# KiCad board vme-wren.kicad_pcb (continued)
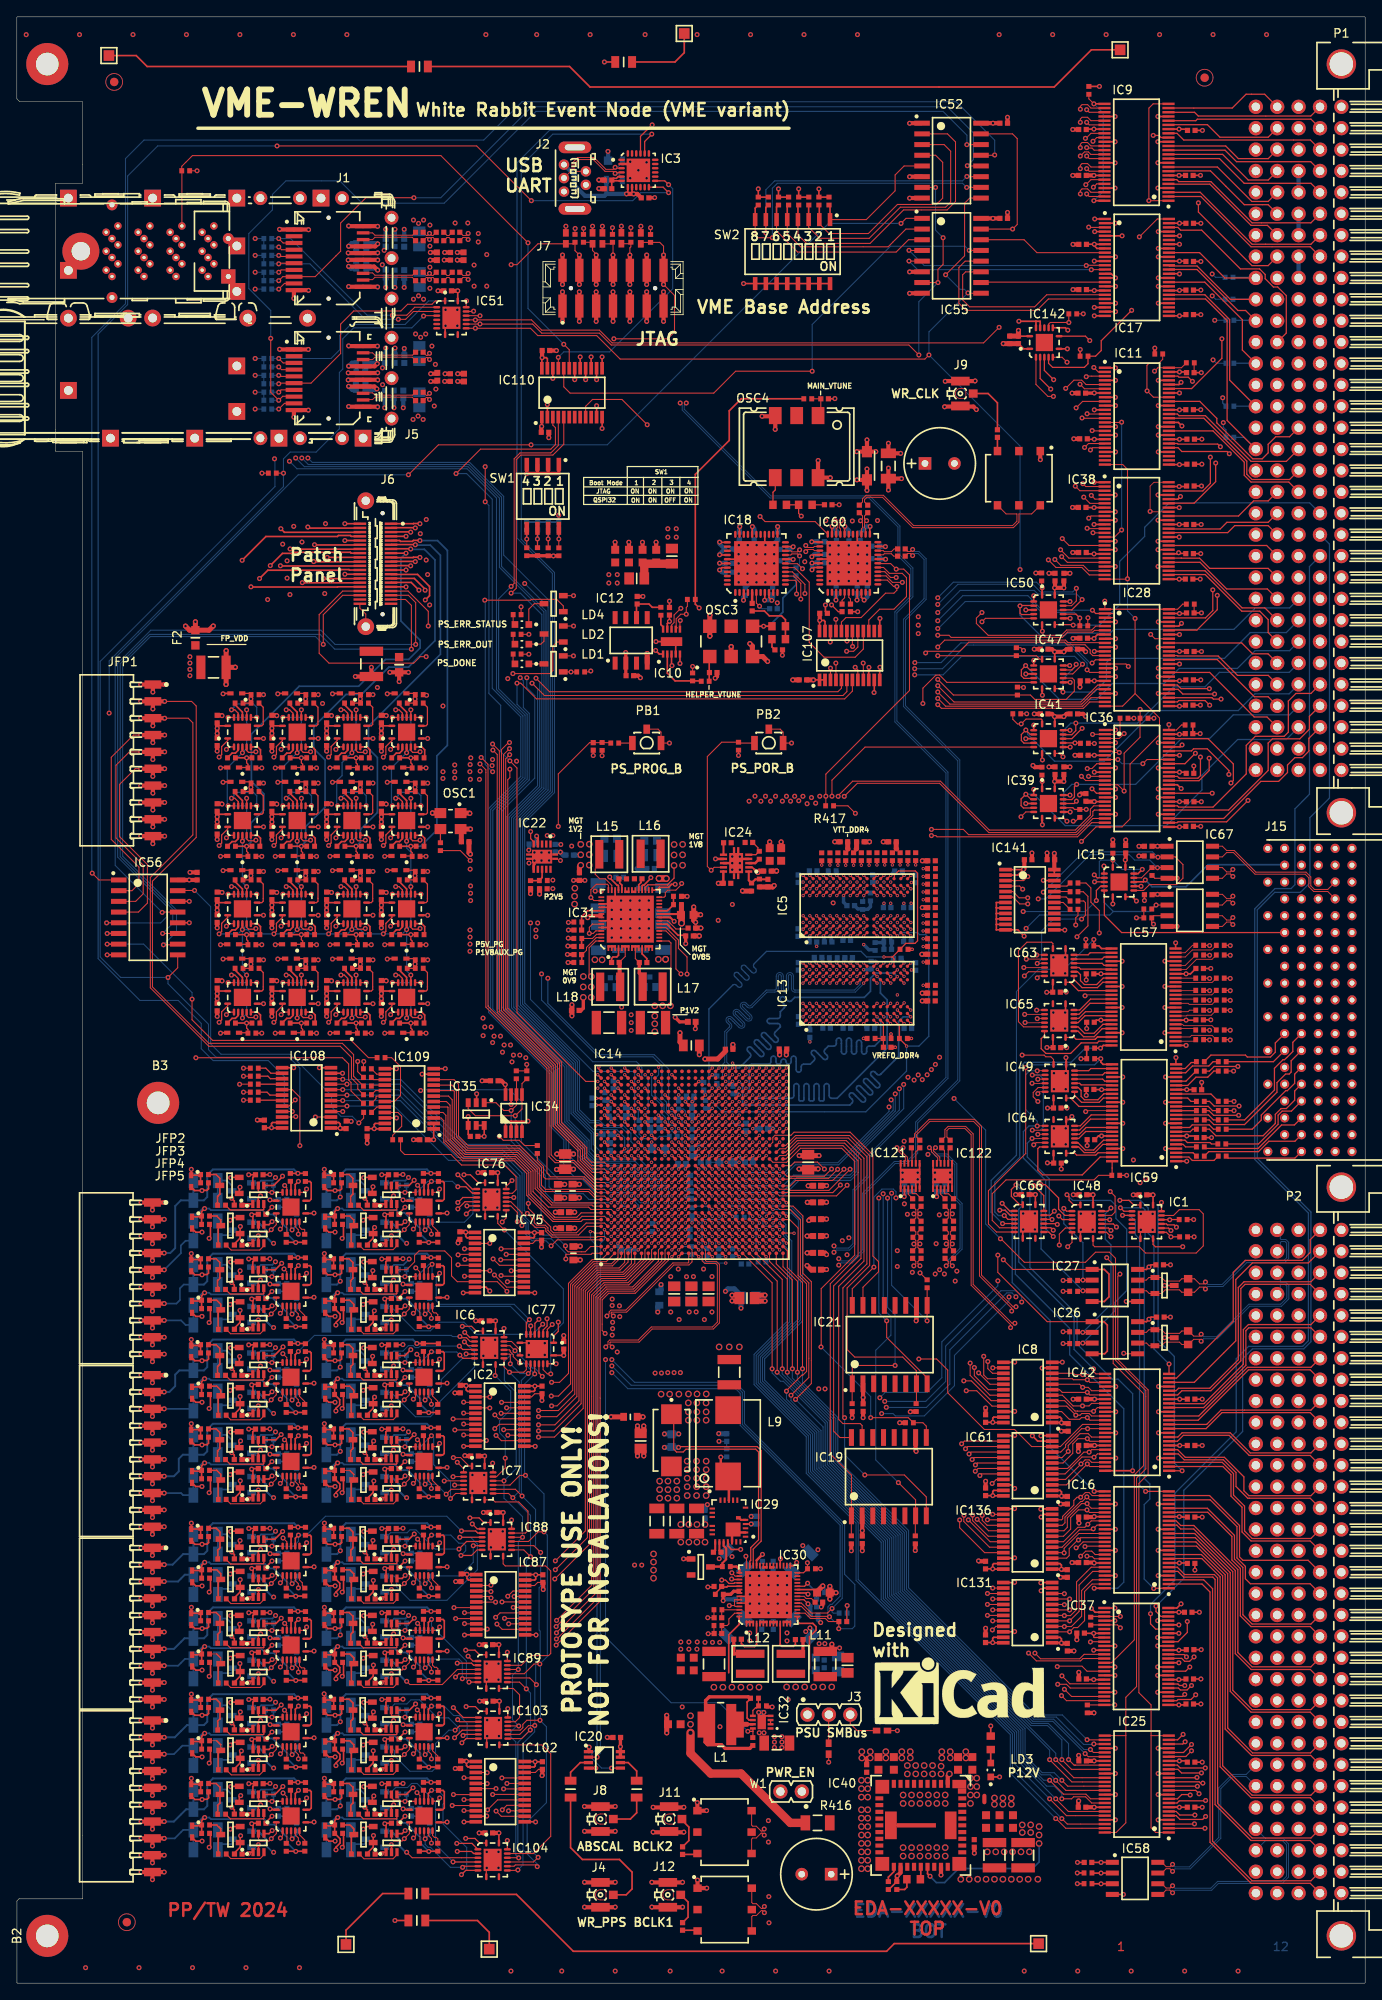
[diagram p0: board, top side]
## Nets (continued)
GND: C1.2 C2.2 C3.1 C4.1 C5.2 C6.1 C7.1 C8.2 C9.1 C10.1 C11.1 C12.1 C13.1 C14.1 C15.1 C16.1 C17.1 C18.1 C19.1 C20.2 C21.2 C22.1 C23.1 C24.1 C25.1 C26.1 C27.1 C28.2 C29.1 C30.1 C31.1 C32.1 C33.1 C34.1 C35.1 C36.1 C37.1 C38.1 C39.1 C40.1 C41.1 C42.1 C43.1 C44.1 C45.1 C46.1 C47.2 C48.1 C49.1 C50.2 C51.2 C52.2 C53.2 C54.1 C55.2 C56.1 C57.1 C58.1 C62.2 C63.2 C65.1 C66.1 C67.1 C68.1 C69.1 C70.1 C71.2 C72.1 C73.1 C74.1 C75.1 C76.1 C77.1 C78.1 C79.1 C80.1 C81.1 C82.1 C83.1 C84.1 C85.1 C86.1 C87.1 C88.1 C90.1 C91.1 C92.1 C93.1 C94.1 C95.1 C96.1 C100.1 C101.1 C102.1 C103.2 C104.1 C105.1 C106.1 C107.1 C108.1 C109.1 C110.1 C111.1 C112.1 C113.1 C114.1 C115.1 C116.1 C117.2 C118.1 C119.1 C121.1 C122.1 C123.1 C124.1 C125.1 C126.1 C127.1 C128.1 C129.1 C130.1 C131.1 C132.1 C133.1 C134.1 C135.1 C136.1 C137.1 C138.1 C139.1 C140.1 C141.2 C142.2 C143.1 C144.1 C145.1 C146.1 C147.1 C148.2 C149.1 C150.1 C151.1 C152.1 C153.1 C154.2 C155.1 C156.1 C157.1 C158.2 C159.2 C160.2 C161.2 C162.1 C163.2 C164.1 C165.1 C166.2 C167.2 C168.2 C169.2 C170.2 C171.2 C172.2 C173.2 C174.1 C175.1 C176.2 C177.2 C178.1 C179.1 C180.1 C181.1 C182.1 C183.1 C184.1 C185.1 C186.2 C187.2 C188.1 C189.2 C190.1 C191.2 C192.2 C193.1 C194.1 C195.1 C196.1 C197.1 C198.1 C199.1 C200.1 C201.1 C202.1 C203.1 C204.1 C205.1 C206.2 C207.2 C208.2 C209.2 C210.1 C211.1 C212.2 C213.1 C214.1 C215.1 C216.1 C217.1 C218.1 C219.1 C220.1 C221.2 C222.1 C223.1 C224.1 C225.1 C226.1 C227.1 C228.2 C229.2 C231.2 C232.1 C234.1 C235.1 C236.1 C237.1 C238.2 C239.2 C240.2 C241.2 C242.1 C243.1 C244.2 C245.2 C249.2 C250.1 C251.1 C252.2 C253.2 C254.1 C255.1 C256.1 C257.1 C258.1 C259.1 C260.1 C261.1 C262.1 C263.1 C264.1 C267.1 C268.1 C269.2 C272.2 C273.2 C274.1 C275.2 C276.2 C277.2 C278.2 C279.2 C280.2 C281.2 C283.2 C284.2 C285.2 C286.2 C287.2 C288.2 C290.2 C291.2 C292.1 C293.1 C294.1 C295.1 C296.1 C297.2 C301.1 C302.1 C303.2 C304.2 C305.1 C306.2 C307.2 C308.1 C309.2 C310.2 C311.2 C312.2 C313.2 C314.2 C315.2 C316.2 C317.2 C318.2 C319.2 C320.1 C321.1 C322.1 C323.1 C324.2 C325.2 C326.2 C327.2 C328.2 C329.2 C330.2 C331.2 C332.2 C333.2 C334.2 C335.2 C336.2 C337.2 C338.2 C339.2 C340.1 C341.1 C342.1 C343.1 C344.1 C345.2 C346.1 C347.1 C348.1 C349.2 C350.1 C351.1 C352.1 C354.2 C355.1 C356.1 C357.1 C358.1 C359.1 C360.1 C361.1 C362.1 C363.2 C364.2 C369.2 C370.1 C371.1 C372.2 C373.2 C376.2 C377.2 C378.2 C379.2 C380.2 C381.1 C382.2 C383.1 C384.2 C385.1 C386.2 C387.1 C388.1 C389.1 C390.1 C391.1 C392.1 C393.2 C394.2 C395.2 C396.2 C397.1 C398.2 C399.2 C400.2 C401.2 C402.2 C403.1 C404.2 C405.2 C406.1 C407.2 C408.2 C409.1 C410.2 C411.2 C412.2 C413.1 C414.2 C415.2 C416.2 C417.2 C418.2 C419.1 C420.2 C421.2 C422.2 C423.2 C424.2 C425.1 C426.2 C427.2 C428.1 C429.2 C430.2 C431.1 C432.2 C433.2 C434.2 C435.1 C436.2 C437.2 C438.2 C439.2 C440.2 C441.1 C442.2 C443.2 C444.2 C445.2 C446.2 C447.1 C448.2 C449.2 C450.2 C451.2 C452.2 C453.1 C454.2 C455.2 C456.1 C457.2 C458.2 C459.1 C460.2 C461.2 C462.2 C463.1 C464.2 C465.2 C466.2 C467.2 C486.2 C487.2 C488.2 C489.2 C490.1 C491.2 C492.2 C493.2 C494.2 C495.2 C496.2 C497.1 C498.2 C499.2 C500.2 C501.2 C502.2 C503.1 C504.2 C505.2 C506.2 C507.2 C508.2 C509.1 C510.2 C511.2 C512.1 C517.2 C518.1 C519.2 C520.1 C521.2 C522.1 C523.2 C524.1 C525.2 C526.2 C527.2 C528.1 C529.2 C530.1 C531.2 C532.1 C533.2 C534.1 C535.2 C536.2 C537.2 C538.1 C539.2 C540.1 C541.2 C542.1 C543.2 C544.1 C545.2 C546.2 C547.2 C548.2 C549.2 Cage1.1 Cage1.2 Cage1.3 Cage1.4 Cage1.5 Cage1.6 Cage1.7 Cage1.8 Cage1.9 Cage1.10 Cage1.11 Cage1.12 Cage1.13 Cage1.14 Cage1.15 Cage1.16 Cage1.17 Cage1.18 Cage1.19 Cage1.20 Cage1.21 Cage1.22 Cage1.23 Cage1.24 Cage1.25 Cage1.26 Cage1.27 Cage1.28 Cage1.29 Cage1.30 Cage3.2 D1.2 D2.2 D3.2 D4.2 D5.2 D6.2 D7.2 D8.2 D9.2 D10.1 D11.1 D12.1 D13.2 D14.2 D15.1 D16.1 D17.2 D18.2 D19.1 D20.1 D21.2 D22.2 D23.1 D24.1 D25.2 D26.2 D27.1 D28.1 D29.3 D30.3 D31.1 D32.1 D33.2 D34.2 D35.1 D36.1 D37.2 D38.2 D39.1 D40.1 D41.2 D42.2 D43.1 D44.1 D45.2 D46.2 D47.1 D48.2 D49.2 D50.1 D51.2 D52.2 D53.1 D54.1 D55.2 D56.2 D57.1 D58.1 D59.2 D60.2 D61.1 D62.1 D63.2 D64.2 D65.1 D66.1 D67.1 D68.1 D69.2 D70.2 D71.1 D72.1 D73.2 D74.2 D75.2 D76.2 D77.2 D78.2 D79.2 D80.2 D81.2 D82.2 D83.2 D84.2 D85.2 D86.2 D87.2 D88.2 D89.2 D90.2 D91.2 D92.2 D93.2 D94.2 D95.2 D96.2 D97.2 D98.2 D99.2 D100.2 D101.2 D102.2 D103.2 D104.2 D105.2 D106.2 IC1.8 IC1.17 IC2.11 IC2.12 IC2.13 IC2.22 IC3.2 IC3.25 IC4.1 IC5.A2 IC5.A8 IC5.B2 IC5.C9 IC5.D2 IC5.D8 IC5.E1 IC5.E3 IC5.E8 IC5.E9 IC5.F1 IC5.G8 IC5.H1 IC5.H9 IC5.K1 IC5.K9 IC5.M9 IC5.N1 IC5.N9 IC5.T1 IC6.8 IC6.17 IC7.8 IC7.17 IC8.11 IC8.12 IC8.13 IC8.22 IC9.1 IC9.2 IC9.4 IC9.5 IC9.10 IC9.14 IC9.15 IC9.17 IC9.21 IC9.22 IC9.23 IC9.24 IC9.28 IC9.32 IC9.34 IC9.39 IC9.41 IC9.45 IC10.3 IC10.4 IC10.11 IC11.1 IC11.4 IC11.8 IC11.10 IC11.15 IC11.17 IC11.21 IC11.28 IC11.32 IC11.34 IC11.39 IC11.45 IC12.4 IC13.A2 IC13.A8 IC13.B2 IC13.C9 IC13.D2 IC13.D8 IC13.E1 IC13.E3 IC13.E8 IC13.E9 IC13.F1 IC13.G8 IC13.H1 IC13.H9 IC13.K1 IC13.K9 IC13.M9 IC13.N1 IC13.N9 IC13.T1 IC14.A20 IC14.A24 IC14.A27 IC14.A28 IC14.AA1 IC14.AA2 IC14.AA3 IC14.AA4 IC14.AA5 IC14.AA6 IC14.AA9 IC14.AA19 IC14.AA24 IC14.AB12 IC14.AB27 IC14.AC15 IC14.AC20 IC14.AC25 IC14.AD3 IC14.AD18 IC14.AE1 IC14.AE6 IC14.AE11 IC14.AE21 IC14.AE26 IC14.AF4 IC14.AF9 IC14.AF14 IC14.AF19 IC14.AG2 IC14.AG22 IC14.AG27 IC14.AH5 IC14.B2 IC14.B17 IC14.B21 IC14.B25 IC14.B26 IC14.C5 IC14.C10 IC14.C20 IC14.C24 IC14.C27 IC14.C28 IC14.D8 IC14.D13 IC14.D21 IC14.D26 IC14.E16 IC14.E20 IC14.E24 IC14.E27 IC14.E28 IC14.F4 IC14.F9 IC14.F19 IC14.F21 IC14.F25 IC14.F26 IC14.G2 IC14.G7 IC14.G12 IC14.G22 IC14.G23 IC14.G24 IC14.G27 IC14.G28 IC14.H10 IC14.H15 IC14.H25 IC14.J8 IC14.J13 IC14.J18 IC14.J23 IC14.K6 IC14.K11 IC14.K16 IC14.K21 IC14.K26 IC14.L9 IC14.L24 IC14.M1 IC14.M2 IC14.M3 IC14.M4 IC14.M5 IC14.M7 IC14.M22 IC14.M27 IC14.N5 IC14.N10 IC14.N12 IC14.N14 IC14.N17 IC14.N20 IC14.N25 IC14.P3 IC14.P5 IC14.P8 IC14.P11 IC14.R1 IC14.R2 IC14.R5 IC14.R15 IC14.R21 IC14.R26 IC14.T3 IC14.T5 IC14.T9 IC14.T10 IC14.T14 IC14.T19 IC14.U1 IC14.U2 IC14.U6 IC14.U11 IC14.U12 IC14.U13 IC14.U17 IC14.U21 IC14.U22 IC14.U27 IC14.V3 IC14.V7 IC14.V13 IC14.V15 IC14.V20 IC14.V21 IC14.W1 IC14.W2 IC14.W6 IC14.W7 IC14.W18 IC14.W21 IC14.W23 IC14.Y3 IC14.Y7 IC14.Y11 IC14.Y16 IC14.Y18 IC14.Y21 IC15.7 IC16.4 IC16.10 IC16.15 IC16.21 IC16.28 IC16.34 IC16.39 IC16.45 IC17.4 IC17.10 IC17.15 IC17.21 IC17.28 IC17.34 IC17.39 IC17.45 IC18.26 IC18.38 IC18.45 IC19.10 IC20.4 IC21.10 IC22.6 IC22.11 IC23.7 IC24.4 IC24.8 IC24.11 IC25.4 IC25.10 IC25.15 IC25.21 IC25.28 IC25.34 IC25.39 IC25.45 IC26.5 IC27.5 IC28.4 IC28.8 IC28.10 IC28.15 IC28.17 IC28.21 IC28.28 IC28.32 IC28.34 IC28.39 IC28.45 IC29.2 IC29.7 IC29.13 IC29.14 IC29.15 IC29.23 IC29.26 IC30.40 IC30.44 IC30.50 IC30.52 IC30.57 IC31.40 IC31.45 IC31.46 IC31.50 IC31.52 IC31.57 IC32.1 IC32.4 IC32.9 IC33.2 IC34.1 IC34.2 IC34.3 IC34.4 IC34.7 IC35.2 IC35.4 IC36.1 IC36.4 IC36.10 IC36.15 IC36.17 IC36.21 IC36.28 IC36.32 IC36.34 IC36.39 IC36.45 IC37.1 IC37.2 IC37.4 IC37.10 IC37.15 IC37.17 IC37.21 IC37.28 IC37.32 IC37.34 IC37.39 IC37.45 IC37.48 IC38.1 IC38.4 IC38.8 IC38.10 IC38.15 IC38.17 IC38.21 IC38.28 IC38.32 IC38.34 IC38.39 IC38.45 IC39.2 IC39.4 IC39.7 IC39.9 IC39.13 IC40.20 IC40.21 IC40.31 IC40.32 IC40.33 IC41.2 IC41.4 IC41.7 IC41.9 IC41.13 IC42.4 IC42.10 IC42.15 IC42.21 IC42.28 IC42.34 IC42.39 IC42.45 IC43.2 IC44.7 IC45.2 IC46.2 IC47.2 IC47.4 IC47.7 IC47.9 IC47.13 IC48.8 IC48.17 IC49.8 IC49.17 IC50.2 IC50.4 IC50.7 IC50.9 IC50.13 IC51.8 IC51.17 IC52.1 IC52.6 IC52.8 IC53.7 IC54.2 IC55.6 IC55.8 IC56.6 IC56.8 IC56.12 IC56.14 IC57.4 IC58.4 IC59.4 IC59.10 IC59.15 IC59.21 IC59.28 IC59.34 IC59.39 IC59.45 IC60.26 IC60.38 IC60.45 IC61.11 IC61.12 IC61.13 IC61.22 IC62.7 IC63.8 IC63.17 IC64.8 IC64.17 IC65.8 IC65.17 IC66.8 IC66.17 IC67.4 IC68.2 IC69.7 IC70.2 IC71.2 IC72.7 IC73.2 IC74.2 IC75.11 IC75.12 IC75.13 IC75.22 IC76.8 IC76.17 IC77.8 IC77.17 IC78.7 IC79.2 IC80.2 IC81.7 IC82.2 IC83.2 IC84.7 IC85.2 IC86.2 IC87.11 IC87.12 IC87.13 IC87.22 IC88.8 IC88.17 IC89.8 IC89.17 IC90.7 IC91.2 IC92.2 IC93.7 IC94.2 IC95.2 IC96.7 IC97.2 IC98.2 IC99.7 IC100.2 IC101.2 IC102.11 IC102.12 IC102.13 IC102.22 IC103.8 IC103.17 IC104.8 IC104.17 IC105.7 IC106.2 IC107.10 IC107.11 IC107.12 IC107.13 IC107.22 IC108.11 IC108.12 IC108.13 IC108.22 IC109.11 IC109.12 IC109.13 IC109.22 IC110.2 IC110.11 IC110.12 IC110.13 IC110.14 IC110.16 IC110.17 IC110.18 IC110.22 IC111.2 IC112.7 IC113.2 IC114.2 IC115.7 IC116.2 IC117.2 IC118.7 IC119.2 IC120.2 IC121.1 IC121.5 IC121.6 IC121.7 IC121.12 IC121.13 IC122.1 IC122.5 IC122.6 IC122.7 IC122.12 IC122.13 IC123.4 IC123.10 IC123.15 IC123.21 IC123.28 IC123.34 IC123.39 IC123.45 IC124.7 IC125.7 IC126.7 IC127.7 IC128.7 IC129.7 IC130.7 IC131.11 IC131.12 IC131.13 IC131.22 IC132.7 IC133.7 IC134.7 IC135.7 IC136.11 IC136.12 IC136.13 IC136.22 IC137.7 IC138.7 IC139.7 IC140.7 IC141.7 IC141.8 IC141.9 IC141.10 IC141.11 IC141.12 IC141.13 IC141.22 IC142.1 IC142.4 IC142.7 IC142.9 IC142.12 IC142.13 J1.1 J1.10 J1.11 J1.14 J1.17 J1.20 J2.5 J2.6 J3.1 J4.2 J5.1 J5.10 J5.11 J5.14 J5.17 J5.20 J6.40 J6.41 J7.1 J7.3 J7.5 J7.7 J7.9 J7.11 J7.13 J8.2 J9.2 J11.2 J12.2 J13.SHIELD J15.B1 J15.B5 J15.E1 J15.E5 J15.F1 J15.F3 J15.F5 J15.F7 J15.F9 J15.F11 J15.F13 J15.F15 J15.F17 J15.F19 JFP1.1 JFP1.9 JFP1.10 JFP2.1 JFP2.6 JFP3.1 JFP3.6 JFP4.1 JFP4.6 JFP5.1 JFP5.6 L2.2 LD3.1 OSC1.2 OSC3.3 OSC4.3 P1.A9 P1.A11 P1.A15 P1.A17 P1.A19 P1.B20 P1.B23 P1.C9 P1.D2 P1.D31 P1.MTG1 P1.MTG2 P1.Z2 P1.Z4 P1.Z6 P1.Z8 P1.Z10 P1.Z12 P1.Z14 P1.Z16 P1.Z18 P1.Z20 P1.Z22 P1.Z24 P1.Z26 P1.Z28 P1.Z30 P1.Z32 P2.B2 P2.B12 P2.B22 P2.B31 P2.D25 P2.D28 P2.D31 P2.MTG1 P2.MTG2 P2.Z2 P2.Z4 P2.Z6 P2.Z8 P2.Z10 P2.Z12 P2.Z14 P2.Z16 P2.Z18 P2.Z20 P2.Z22 P2.Z24 P2.Z26 P2.Z28 P2.Z30 P2.Z32 PB1.1 PB1.3 PB2.1 PB2.3 R1.1 R11.1 R20.1 R21.1 R22.1 R23.1 R34.1 R35.1 R36.1 R40.2 R64.1 R68.1 R90.2 R98.2 R103.2 R114.2 R115.1 R121.1 R122.1 R124.1 R126.1 R127.1 R131.1 R132.1 R146.1 R147.1 R160.1 R161.1 R162.1 R163.1 R166.1 R167.1 R184.1 R185.1 R192.1 R194.2 R195.2 R207.2 R208.1 R209.1 R211.1 R215.2 R216.1 R217.1 R262.1 R265.2 R266.2 R267.1 R279.1 R280.1 R293.1 R294.1 R307.1 R308.1 R309.1 R315.2 R321.1 R322.1 R323.1 R335.1 R336.1 R349.1 R350.1 R363.1 R364.1 R377.1 R378.1 R397.1 R401.1 R408.1 R409.1 R410.1 R417.1 R422.1 R423.1 R424.1 R436.1 R437.1 R446.1 R510.1 R511.1 R516.1 R517.1 R522.1 R523.1 R528.1 R529.1 R534.1 R535.1 R540.1 R541.1 R546.1 R547.1 R552.1 R553.1 R558.1 R559.1 R564.1 R565.1 R570.1 R571.1 R576.1 R577.1 R582.1 R583.1 SW1.1 SW1.2 SW1.3 SW1.4 SW2.9 SW2.10 SW2.11 SW2.12 SW2.13 SW2.14 SW2.15 SW2.16 T2.2 T3.2 T4.2 T5.2 T7.2 T9.2 T11.2 T13.2 T15.2 T19.2 T21.2 T23.2 T25.2 T27.2 T29.2 T31.2 T35.2 T37.2 T39.2 T40.2 T41.2 T42.2 T43.2 T44.2 T45.2 T46.2 T47.2 T48.2 T49.2 T50.2 T51.2 T52.2 T53.2 T54.2 T55.2 TR1.1 TR2.1 TR3.1 W1.2
GNDA: IC40.2 IC40.23 IC40.29 R100.1 R165.1
P0V85: C33.2 C34.2 C35.2 C36.2 C37.2 C38.2 C39.2 C40.2 C41.2 C79.2 C80.2 C81.2 C82.2 C85.2 C86.2 C271.1 C272.1 C273.1 IC14.AA15 IC14.AA16 IC14.AA17 IC14.AA18 IC14.AA20 IC14.AA21 IC14.AB16 IC14.K10 IC14.L10 IC14.L11 IC14.L12 IC14.M9 IC14.M10 IC14.M11 IC14.M12 IC14.N11 IC14.N13 IC14.N15 IC14.P10 IC14.P14 IC14.P15 IC14.R10 IC14.R11 IC14.R14 IC14.T11 IC14.T15 IC14.U10 IC14.U14 IC14.U15 IC14.V10 IC14.V11 IC14.V12 IC14.V14 IC14.V16 IC14.V17 IC14.V18 IC14.W15 IC14.W16 IC14.W17 IC14.Y15 IC14.Y17 IC14.Y19 IC30.41 IC30.45 L9.2
P1V2: C90.2 C91.2 C92.2 C93.2 C94.2 C95.2 C99.2 C135.2 C174.2 C175.2 C178.2 C179.2 C180.2 C181.2 C182.2 C183.2 C184.2 C185.2 C194.2 C195.2 C198.2 C199.2 C200.2 C201.2 C202.2 C203.2 C204.2 C205.2 C312.1 C313.1 C314.1 IC5.A1 IC5.A9 IC5.B3 IC5.B9 IC5.C1 IC5.D1 IC5.D9 IC5.F2 IC5.F8 IC5.G1 IC5.G7 IC5.G9 IC5.J1 IC5.J2 IC5.J8 IC5.J9 IC5.L1 IC5.L9 IC5.R1 IC5.T9 IC13.A1 IC13.A9 IC13.B3 IC13.B9 IC13.C1 IC13.D1 IC13.D9 IC13.F2 IC13.F8 IC13.G1 IC13.G7 IC13.G9 IC13.J1 IC13.J2 IC13.J8 IC13.J9 IC13.L1 IC13.L9 IC13.R1 IC13.T9 IC14.AB22 IC14.AD23 IC14.AF24 IC14.P23 IC14.T24 IC14.V25 IC14.Y26 IC24.2 IC31.15 L17.2 R44.1 R113.2 R119.1 R125.2
P1V8: C21.1 C27.2 C29.2 C42.2 C43.2 C44.2 C45.2 C46.2 C67.2 C74.2 C87.2 C104.2 C105.2 C106.2 C107.2 C110.2 C111.2 C115.2 C123.2 C129.2 C138.2 C139.2 C145.2 C147.2 C149.2 C151.2 C152.2 C154.1 C158.1 C159.1 C170.1 C172.1 C191.1 C192.1 C221.1 C245.1 C263.2 C280.1 C283.1 C284.1 C285.1 C303.1 C304.1 C350.2 C351.2 C377.1 C379.1 C393.1 C398.1 C399.1 C404.1 C405.1 C408.1 C414.1 C415.1 C420.1 C421.1 C426.1 C427.1 C430.1 C436.1 C437.1 C442.1 C443.1 C448.1 C449.1 C454.1 C455.1 C458.1 C465.1 C467.1 C487.1 C489.1 C492.1 C493.1 C498.1 C499.1 C504.1 C505.1 C510.1 C511.1 C526.1 C536.1 C547.1 IC2.1 IC2.2 IC8.1 IC8.2 IC14.AB17 IC14.AC5 IC14.AD8 IC14.AE16 IC14.AG7 IC14.AG17 IC14.B7 IC14.D3 IC14.D18 IC14.E6 IC14.G17 IC14.H5 IC14.J3 IC14.L4 IC14.M13 IC14.M14 IC14.M15 IC14.M16 IC14.N16 IC14.U19 IC14.U20 IC14.V19 IC14.W19 IC16.31 IC16.42 IC17.31 IC17.42 IC18.21 IC18.32 IC18.39 IC18.40 IC19.2 IC21.2 IC25.31 IC25.42 IC30.15 IC30.22 IC30.56 IC33.6 IC34.8 IC35.5 IC35.6 IC42.31 IC42.42 IC43.6 IC45.6 IC46.6 IC54.6 IC60.21 IC60.32 IC60.39 IC60.40 IC61.1 IC61.2 IC68.6 IC70.6 IC71.6 IC73.6 IC74.6 IC75.1 IC75.2 IC79.6 IC80.6 IC82.6 IC83.6 IC85.6 IC86.6 IC87.1 IC87.2 IC91.6 IC92.6 IC94.6 IC95.6 IC97.6 IC98.6 IC100.6 IC101.6 IC102.1 IC102.2 IC106.6 IC107.1 IC107.2 IC108.1 IC108.2 IC109.1 IC109.2 IC110.1 IC111.6 IC113.6 IC114.6 IC116.6 IC117.6 IC119.6 IC120.6 IC131.1 IC131.2 IC136.1 IC136.2 IC141.1 IC141.2 L5.1 L6.1 L11.2 L12.2 R8.2 R12.2 R13.2 R14.2 R15.2 R16.2 R63.2 R169.2 R226.2
P2V5: C150.2 C153.2 C155.2 C156.2 C214.2 IC5.B1 IC5.R9 IC13.B1 IC13.R9 IC22.9 IC22.10 R62.2
P3V3: C6.2 C7.2 C8.1 C14.2 C20.1 C22.2 C23.2 C24.2 C26.2 C28.1 C47.1 C50.1 C51.1 C54.2 C55.1 C56.2 C57.2 C58.2 C62.1 C63.1 C70.2 C71.1 C72.2 C73.2 C88.2 C100.2 C101.2 C108.2 C109.2 C114.2 C118.2 C119.2 C124.2 C125.2 C132.2 C137.2 C141.1 C142.1 C143.2 C144.2 C163.1 C164.2 C166.1 C167.1 C168.1 C173.1 C176.1 C177.1 C186.1 C187.1 C189.1 C190.2 C207.1 C208.1 C209.1 C210.2 C212.1 C213.2 C215.2 C216.2 C217.2 C219.2 C222.2 C223.2 C226.2 C227.2 C228.1 C229.1 C234.2 C235.2 C236.2 C237.2 C238.1 C239.1 C240.1 C241.1 C242.2 C243.2 C244.1 C249.1 C250.2 C251.2 C252.1 C253.1 C254.2 C268.2 C269.1 C274.2 C277.1 C278.1 C279.1 C297.1 C301.2 C305.2 C306.1 C307.1 C308.2 C318.1 C319.1 C320.2 C321.2 C322.2 C323.2 C345.1 C346.2 C347.2 C348.2 C352.2 C354.1 C370.2 C371.2 C372.1 C373.1 C376.1 C378.1 C380.1 C381.2 C382.1 C383.2 C384.1 C385.2 C386.1 C387.2 C388.2 C389.2 C390.2 C391.2 C392.2 C394.1 C395.1 C396.1 C397.2 C400.1 C401.1 C402.1 C403.2 C406.2 C407.1 C409.2 C410.1 C411.1 C412.1 C413.2 C416.1 C417.1 C418.1 C419.2 C422.1 C423.1 C424.1 C425.2 C428.2 C429.1 C431.2 C432.1 C433.1 C434.1 C435.2 C438.1 C439.1 C440.1 C441.2 C444.1 C445.1 C446.1 C447.2 C450.1 C451.1 C452.1 C453.2 C456.2 C457.1 C459.2 C460.1 C461.1 C462.1 C463.2 C464.1 C466.1 C486.1 C488.1 C490.2 C491.1 C494.1 C495.1 C496.1 C497.2 C500.1 C501.1 C502.1 C503.2 C506.1 C507.1 C508.1 C509.2 C512.2 C517.1 C518.2 C519.1 C520.2 C521.1 C522.2 C523.1 C524.2 C525.1 C527.1 C528.2 C529.1 C530.2 C531.1 C532.2 C533.1 C534.2 C535.1 C537.1 C538.2 C539.1 C540.2 C541.1 C542.2 C543.1 C544.2 C546.1 C548.1 C549.1 D11.2 D12.2 D15.2 D16.2 D19.2 D20.2 D23.2 D24.2 D27.2 D28.2 D31.2 D32.2 D35.2 D36.2 D39.2 D40.2 D43.2 D44.2 D47.2 D50.2 D53.2 D54.2 D57.2 D58.2 D61.2 D62.2 D65.2 D66.2 D67.2 D68.2 D71.2 D72.2 IC1.16 IC2.23 IC2.24 IC6.16 IC7.16 IC8.23 IC8.24 IC9.7 IC9.8 IC9.11 IC9.18 IC9.25 IC9.31 IC9.35 IC9.38 IC9.42 IC9.44 IC9.47 IC11.7 IC11.11 IC11.18 IC11.25 IC11.31 IC11.35 IC11.38 IC11.42 IC11.44 IC11.47 IC14.AA14 IC14.AC10 IC14.AD13 IC14.AG12 IC14.B12 IC14.C15 IC14.E11 IC14.F14 IC14.H20 IC14.L19 IC14.M17 IC14.P18 IC15.14 IC16.7 IC16.18 IC17.7 IC17.18 IC20.1 IC20.7 IC20.8 IC22.1 IC22.2 IC23.14 IC24.7 IC24.10 IC25.7 IC25.18 IC26.8 IC27.8 IC28.7 IC28.11 IC28.18 IC28.25 IC28.31 IC28.35 IC28.38 IC28.42 IC28.44 IC28.47 IC29.22 IC30.20 IC31.20 IC33.1 IC36.7 IC36.11 IC36.18 IC36.25 IC36.31 IC36.35 IC36.38 IC36.42 IC36.44 IC36.47 IC37.7 IC37.8 IC37.11 IC37.18 IC37.25 IC37.31 IC37.35 IC37.38 IC37.41 IC37.42 IC37.44 IC37.47 IC38.7 IC38.11 IC38.18 IC38.25 IC38.31 IC38.35 IC38.38 IC38.42 IC38.44 IC38.47 IC39.14 IC40.27 IC40.34 IC40.35 IC40.36 IC40.37 IC40.38 IC40.41 IC41.14 IC42.7 IC42.18 IC43.1 IC44.14 IC45.1 IC46.1 IC47.14 IC48.16 IC49.16 IC50.14 IC51.16 IC52.16 IC53.14 IC54.1 IC55.16 IC56.16 IC57.1 IC58.1 IC59.1 IC59.7 IC59.18 IC59.24 IC59.31 IC59.42 IC61.23 IC61.24 IC62.14 IC63.16 IC64.16 IC65.16 IC66.16 IC67.1 IC68.1 IC69.14 IC70.1 IC71.1 IC72.14 IC73.1 IC74.1 IC75.23 IC75.24 IC76.16 IC77.16 IC78.14 IC79.1 IC80.1 IC81.14 IC82.1 IC83.1 IC84.14 IC85.1 IC86.1 IC87.23 IC87.24 IC88.16 IC89.16 IC90.14 IC91.1 IC92.1 IC93.14 IC94.1 IC95.1 IC96.14 IC97.1 IC98.1 IC99.14 IC100.1 IC101.1 IC102.23 IC102.24 IC103.16 IC104.16 IC105.14 IC106.1 IC107.23 IC107.24 IC108.23 IC108.24 IC109.23 IC109.24 IC110.23 IC110.24 IC111.1 IC112.14 IC113.1 IC114.1 IC115.14 IC116.1 IC117.1 IC118.14 IC119.1 IC120.1 IC121.2 IC122.2 IC123.1 IC123.7 IC123.18 IC123.24 IC123.31 IC123.42 IC124.14 IC125.14 IC126.14 IC127.14 IC128.14 IC129.14 IC130.14 IC131.23 IC131.24 IC132.14 IC133.14 IC134.14 IC135.14 IC136.23 IC136.24 IC137.14 IC138.14 IC139.14 IC140.14 IC141.23 IC141.24 IC142.14 J7.2 L3.2 L4.2 L7.1 L8.2 L13.1 L19.2 OSC1.1 OSC1.4 R2.2 R3.2 R4.2 R5.2 R6.2 R7.2 R9.2 R10.2 R17.2 R18.2 R19.2 R24.2 R25.2 R26.2 R30.2 R31.2 R46.2 R48.2 R49.2 R51.2 R52.2 R53.2 R54.2 R55.2 R56.2 R59.2 R60.2 R61.2 R67.2 R69.2 R89.2 R92.2 R99.2 R101.2 R102.2 R104.2 R117.2 R118.2 R128.2 R133.2 R140.2 R141.2 R148.2 R154.2 R155.2 R168.2 R170.2 R171.2 R177.2 R178.2 R186.2 R189.2 R196.2 R197.2 R198.2 R203.2 R204.2 R223.2 R227.1 R254.2 R255.2 R260.2 R263.2 R264.2 R273.2 R274.2 R287.2 R288.2 R301.2 R302.2 R316.2 R329.2 R330.1 R343.1 R344.1 R357.1 R358.1 R371.1 R372.1 R385.1 R388.2 R389.2 R390.2 R391.2 R392.2 R393.2 R394.2 R395.2 R403.1 R585.2 R586.2 R587.2 R588.2 R589.2 R590.2 R591.2 R592.2 R593.2 R594.2 R595.2
P3V3_CLK: C17.2 C18.2 C68.2 C69.2 C77.2 C121.2 C122.2 C218.2 C255.2 C256.2 C257.2 C258.2 C259.2 C260.2 C261.2 C262.2 C264.2 C267.2 IC10.5 IC10.9 IC12.2 IC18.3 IC18.8 IC18.9 IC18.18 IC18.23 IC18.29 IC18.34 IC18.37 IC60.3 IC60.8 IC60.9 IC60.18 IC60.23 IC60.29 IC60.34 IC60.37 L14.2 OSC3.2 OSC3.6
P3V3_VME: P1.D12 P1.D14 P1.D16 P1.D18 P1.D20 P1.D22 P1.D24 P1.D26 P1.D28 P1.D30
P5V_STDBY_VME: P1.B31
P5V_VME: C188.2 C193.2 C196.2 C197.2 C206.1 C211.2 F1.1 F2.1 IC40.1 IC40.3 IC40.11 IC40.12 IC40.39 IC40.40 P1.A32 P1.B32 P1.C32 P2.B1 P2.B13 P2.B32 R416.2
P12V: C1.1 C2.1 C169.1 C171.1 C324.1 C325.1 C326.1 C327.1 C328.1 C329.1 C330.1 C331.1 C332.1 C333.1 C334.1 C335.1 C336.1 C337.1 C338.1 C339.1 C349.1 IC29.16 IC29.17 IC29.18 IC30.1 IC30.2 IC30.3 IC30.12 IC30.13 IC30.14 IC30.32 IC30.39 IC31.1 IC31.2 IC31.3 IC31.12 IC31.13 IC31.14 IC31.32 IC31.39 IC32.2 IC32.3 P1.C31 R251.1
VCC_PSADC: C97.2 C98.2 IC14.P12 IC14.Y20 L6.2
VCC_PSDDR_PLL: C32.2 C96.2 IC14.U16 IC14.U18 L5.2
VCC_PSPLL: C83.2 C84.2 C281.1 IC14.T16 IC14.T17 IC14.T18 IC30.23 R206.2
/clocks/FPGA-PL_CLKSYS_N: IC14.C4 IC60.31
/clocks/FPGA-PL_CLKSYS_P: IC14.D4 IC60.30
/clocks/FPGA-PS_CLKREF: IC14.R16 R27.2
/clocks/PLLDAC_OUT1: C76.2 OSC4.1 R58.2
/clocks/PLLDAC_OUT2: C75.2 OSC3.1 R57.2
/clocks/TRAFO1_N: C248.1 TR2.6
/clocks/TRAFO1_P: C246.1 TR2.4
/clocks/WR_CLK_SFP_AC_N: C266.2 IC60.19
/clocks/WR_CLK_SFP_AC_P: C265.2 IC60.20
/DDR4-PS.A0: IC5.P3 IC13.P3 IC14.W28 R70.1
/DDR4-PS.A1: IC5.P7 IC13.P7 IC14.Y28 R71.1
/DDR4-PS.A2: IC5.R3 IC13.R3 IC14.AB28 R72.1
/DDR4-PS.A3: IC5.N7 IC13.N7 IC14.AA28 R73.1
/DDR4-PS.A4: IC5.N3 IC13.N3 IC14.Y27 R74.1
/DDR4-PS.A5: IC5.P8 IC13.P8 IC14.AA27 R75.1
/DDR4-PS.A6: IC5.P2 IC13.P2 IC14.Y22 R76.1
/DDR4-PS.A7: IC5.R8 IC13.R8 IC14.AA23 R77.1
/DDR4-PS.A8: IC5.R2 IC13.R2 IC14.AA22 R78.1
/DDR4-PS.A9: IC5.R7 IC13.R7 IC14.AB23 R79.1
/DDR4-PS.A10: IC5.M3 IC13.M3 IC14.AA25 R80.1
/DDR4-PS.A11: IC5.T2 IC13.T2 IC14.AA26 R81.1
/DDR4-PS.A12: IC5.M7 IC13.M7 IC14.AB25 R82.1
/DDR4-PS.A13: IC5.T8 IC13.T8 IC14.AB26 R83.1
/DDR4-PS.ACTN: IC5.L3 IC13.L3 IC14.Y23 R97.1
/DDR4-PS.ALERTN: IC5.P9 IC13.P9 IC14.U25 R113.1
/DDR4-PS.BA0: IC5.N2 IC13.N2 IC14.V23 R108.1
/DDR4-PS.BA1: IC5.N8 IC13.N8 IC14.W22 R109.1
/DDR4-PS.BG0: IC5.M2 IC13.M2 IC14.W24 R110.1
/DDR4-PS.CASN: IC5.M8 IC13.M8 IC14.AC24 R85.1
/DDR4-PS.CK_N: IC5.K8 IC13.K8 IC14.W26 R112.1
/DDR4-PS.CK_P: IC5.K7 IC13.K7 IC14.W25 R111.1
/DDR4-PS.CKE: IC5.K2 IC13.K2 IC14.V28 R96.1
/DDR4-PS.CSN: IC5.L7 IC13.L7 IC14.W27 R106.1
/DDR4-PS.DM0: IC13.E7 IC14.AG20
/DDR4-PS.DM1: IC13.E2 IC14.AE23
/DDR4-PS.DM2: IC5.E7 IC14.AE25
/DDR4-PS.DM3: IC5.E2 IC14.AE28
/DDR4-PS.DQ0: IC13.G2 IC14.AH21
/DDR4-PS.DQ1: IC13.F7 IC14.AD21
/DDR4-PS.DQ2: IC13.H3 IC14.AD20
/DDR4-PS.DQ3: IC13.H7 IC14.AF20
/DDR4-PS.DQ4: IC13.H2 IC14.AH20
/DDR4-PS.DQ5: IC13.H8 IC14.AE20
/DDR4-PS.DQ6: IC13.J3 IC14.AH19
/DDR4-PS.DQ7: IC13.J7 IC14.AG19
/DDR4-PS.DQ8: IC13.A3 IC14.AG24
/DDR4-PS.DQ9: IC13.B8 IC14.AE24
/DDR4-PS.DQ10: IC13.C3 IC14.AF22
/DDR4-PS.DQ11: IC13.C7 IC14.AH23
/DDR4-PS.DQ12: IC13.C2 IC14.AH22
/DDR4-PS.DQ13: IC13.C8 IC14.AH24
/DDR4-PS.DQ14: IC13.D3 IC14.AE22
/DDR4-PS.DQ15: IC13.D7 IC14.AD22
/DDR4-PS.DQ16: IC5.G2 IC14.AH26
/DDR4-PS.DQ17: IC5.F7 IC14.AD24
/DDR4-PS.DQ18: IC5.H3 IC14.AG26
/DDR4-PS.DQ19: IC5.H7 IC14.AC26
/DDR4-PS.DQ20: IC5.H2 IC14.AH25
/DDR4-PS.DQ21: IC5.H8 IC14.AD26
/DDR4-PS.DQ22: IC5.J3 IC14.AG25
/DDR4-PS.DQ23: IC5.J7 IC14.AD25
/DDR4-PS.DQ24: IC5.A3 IC14.AD28
/DDR4-PS.DQ25: IC5.B8 IC14.AC28
/DDR4-PS.DQ26: IC5.C3 IC14.AD27
/DDR4-PS.DQ27: IC5.C7 IC14.AC27
/DDR4-PS.DQ28: IC5.C2 IC14.AG28
/DDR4-PS.DQ29: IC5.C8 IC14.AF28
/DDR4-PS.DQ30: IC5.D3 IC14.AH28
/DDR4-PS.DQ31: IC5.D7 IC14.AH27
/DDR4-PS.DQS_N0: IC13.F3 IC14.AG21
/DDR4-PS.DQS_N1: IC13.A7 IC14.AG23
/DDR4-PS.DQS_N2: IC5.F3 IC14.AF26
/DDR4-PS.DQS_N3: IC5.A7 IC14.AF27
/DDR4-PS.DQS_P0: IC13.G3 IC14.AF21
/DDR4-PS.DQS_P1: IC13.B7 IC14.AF23
/DDR4-PS.DQS_P2: IC5.G3 IC14.AF25
/DDR4-PS.DQS_P3: IC5.B7 IC14.AE27
/DDR4-PS.ODT: IC5.K3 IC13.K3 IC14.U28 R107.1
/DDR4-PS.PAR: IC5.T3 IC13.T3 IC14.V24 R105.1
/DDR4-PS.RASN: IC5.L8 IC13.L8 IC14.AC23 R91.1
/DDR4-PS.RSTN: IC5.P1 IC13.P1 IC14.U23 R115.2
/DDR4-PS.WEN: IC5.L2 IC13.L2 IC14.AB24 R84.1
/ddr4-ps/DDR4-PS_VREF0: C224.2 IC13.M1 R44.2 R194.1
/ddr4-ps/DDR4-PS_VREF1: C225.2 IC5.M1 R119.2 R195.1
/ddr4-ps/DDR4-PS_ZQ0: IC13.F9 R23.2
/ddr4-ps/DDR4-PS_ZQ1: IC5.F9 R34.2
/fp_connectors/FP_VDD: C545.1 F2.2 JFP1.8
/FP_ID0: IC56.2 JFP1.4
/FP_ID1: IC56.3 JFP1.5
/FP_ID2: IC56.4 JFP1.6
/FP_IO0: D3.1 JFP2.2 R32.2 R33.2 R35.2 R42.1 R476.2 R477.2
/FP_IO1: D9.1 JFP2.3 R28.2 R29.2 R36.2 R41.2 R43.1 R454.2
/FP_IO2: D13.1 JFP2.4 R129.2 R130.2 R131.2 R136.1 R478.2 R479.2
/FP_IO3: D14.1 JFP2.5 R50.2 R123.2 R132.2 R135.2 R137.1 R457.2
/FP_IO4: D17.1 JFP2.7 R144.2 R145.2 R146.2 R150.1 R480.2 R481.2
/FP_IO5: D18.1 JFP2.8 R142.2 R143.2 R147.2 R149.2 R151.1 R459.2
/FP_IO6: D21.1 JFP2.9 R158.2 R159.2 R166.2 R173.1 R482.2 R483.2
/FP_IO7: D22.1 JFP2.10 R156.2 R157.2 R167.2 R172.2 R174.1 R461.2
/FP_IO8: D33.1 JFP3.2 R277.2 R278.2 R279.2 R283.1 R486.2 R487.2
/FP_IO9: D34.1 JFP3.3 R275.2 R276.2 R280.2 R282.2 R284.1 R465.2
/FP_IO10: D37.1 JFP3.4 R291.2 R292.2 R293.2 R297.1 R488.2 R489.2
/FP_IO11: D38.1 JFP3.5 R289.2 R290.2 R294.2 R296.2 R298.1 R466.2
/FP_IO12: D41.1 JFP3.7 R305.2 R306.2 R307.2 R311.1 R490.2 R491.2
/FP_IO13: D42.1 JFP3.8 R303.2 R304.2 R308.2 R310.2 R312.1 R467.2
/FP_IO14: D25.1 JFP3.9 R182.2 R183.2 R184.2 R269.1 R484.2 R485.2
/FP_IO15: D26.1 JFP3.10 R179.2 R180.2 R185.2 R268.2 R270.1 R464.2
/FP_IO16: D51.1 JFP4.2 R347.2 R348.2 R349.2 R353.1 R496.2 R497.2
/FP_IO17: D52.1 JFP4.3 R345.2 R346.2 R350.2 R352.2 R354.1 R470.2
/FP_IO18: D45.1 JFP4.4 R319.2 R320.2 R321.2 R325.1 R492.2 R493.2
/FP_IO19: D46.1 JFP4.5 R317.2 R318.2 R322.2 R324.2 R326.1 R468.2
/FP_IO20: D48.1 JFP4.7 R333.2 R334.2 R335.2 R339.1 R494.2 R495.2
/FP_IO21: D49.1 JFP4.8 R331.2 R332.2 R336.2 R338.2 R340.1 R469.2
/FP_IO22: D55.1 JFP4.9 R361.2 R362.2 R363.2 R367.1 R498.2 R499.2
/FP_IO23: D56.1 JFP4.10 R359.2 R360.2 R364.2 R366.2 R368.1 R471.2
/FP_IO24: D59.1 JFP5.2 R375.2 R376.2 R377.2 R381.1 R500.2 R501.2
/FP_IO25: D60.1 JFP5.3 R373.2 R374.2 R378.2 R380.2 R382.1 R472.2
/FP_IO26: D73.1 JFP5.4 R434.2 R435.2 R436.2 R440.1 R506.2 R507.2
/FP_IO27: D74.1 JFP5.5 R432.2 R433.2 R437.2 R439.2 R441.1 R475.2
/FP_IO28: D63.1 JFP5.7 R406.2 R407.2 R408.2 R412.1 R502.2 R503.2
/FP_IO29: D64.1 JFP5.8 R404.2 R405.2 R409.2 R411.2 R413.1 R473.2
/FP_IO30: D69.1 JFP5.9 R420.2 R421.2 R422.2 R426.1 R504.2 R505.2
/FP_IO31: D70.1 JFP5.10 R418.2 R419.2 R423.2 R425.2 R427.1 R474.2
/FP_LED0_DATA: JFP1.2 R453.2
/FP_LED1_DATA: JFP1.3 R451.2
/fpga/F_P0.BUNCHCLK1: IC14.J11 IC15.9 IC67.2 R265.1
/fpga/F_P0.BUNCHCLK2: IC14.H12 IC15.12 IC67.3 R266.1
/fpga/F_P0.RS485_DATA0: IC14.W10 IC27.1 IC27.4
/fpga/F_P0.RS485_DATA1: IC14.Y10 IC26.1 IC26.4
/fpga/F_P0.TTC_DATA0: IC14.D11 IC58.2 R126.2
/fpga/F_P0.TTC_DATA1: IC14.D10 IC58.3 R192.2
/fpga/F_P0.TURNCLK1: IC14.F13 IC15.2 IC57.2 R124.2
/fpga/F_P0.TURNCLK2: IC14.E10 IC15.5 IC57.3 R122.2
/fpga/fpga-config/JTAG_TCK: D4.1 IC14.R19 J7.6 R52.1 R190.2
/fpga/fpga-config/JTAG_TDI: D6.1 IC14.R18 J7.10 R54.1
/fpga/fpga-config/JTAG_TDO: D5.1 IC14.T21 J7.8 R53.1
/fpga/fpga-config/JTAG_TMS: D2.1 IC14.N21 J7.4 R51.1
/fpga/fpga-config/PS_DONE: IC14.M21 R5.1 T2.1
/fpga/fpga-config/PS_ERR_OUT: IC14.P17 T3.1